# Altium PCB HW_RV_TOUCH_R1M1.PcbDoc (part 2 of 5) (continued)
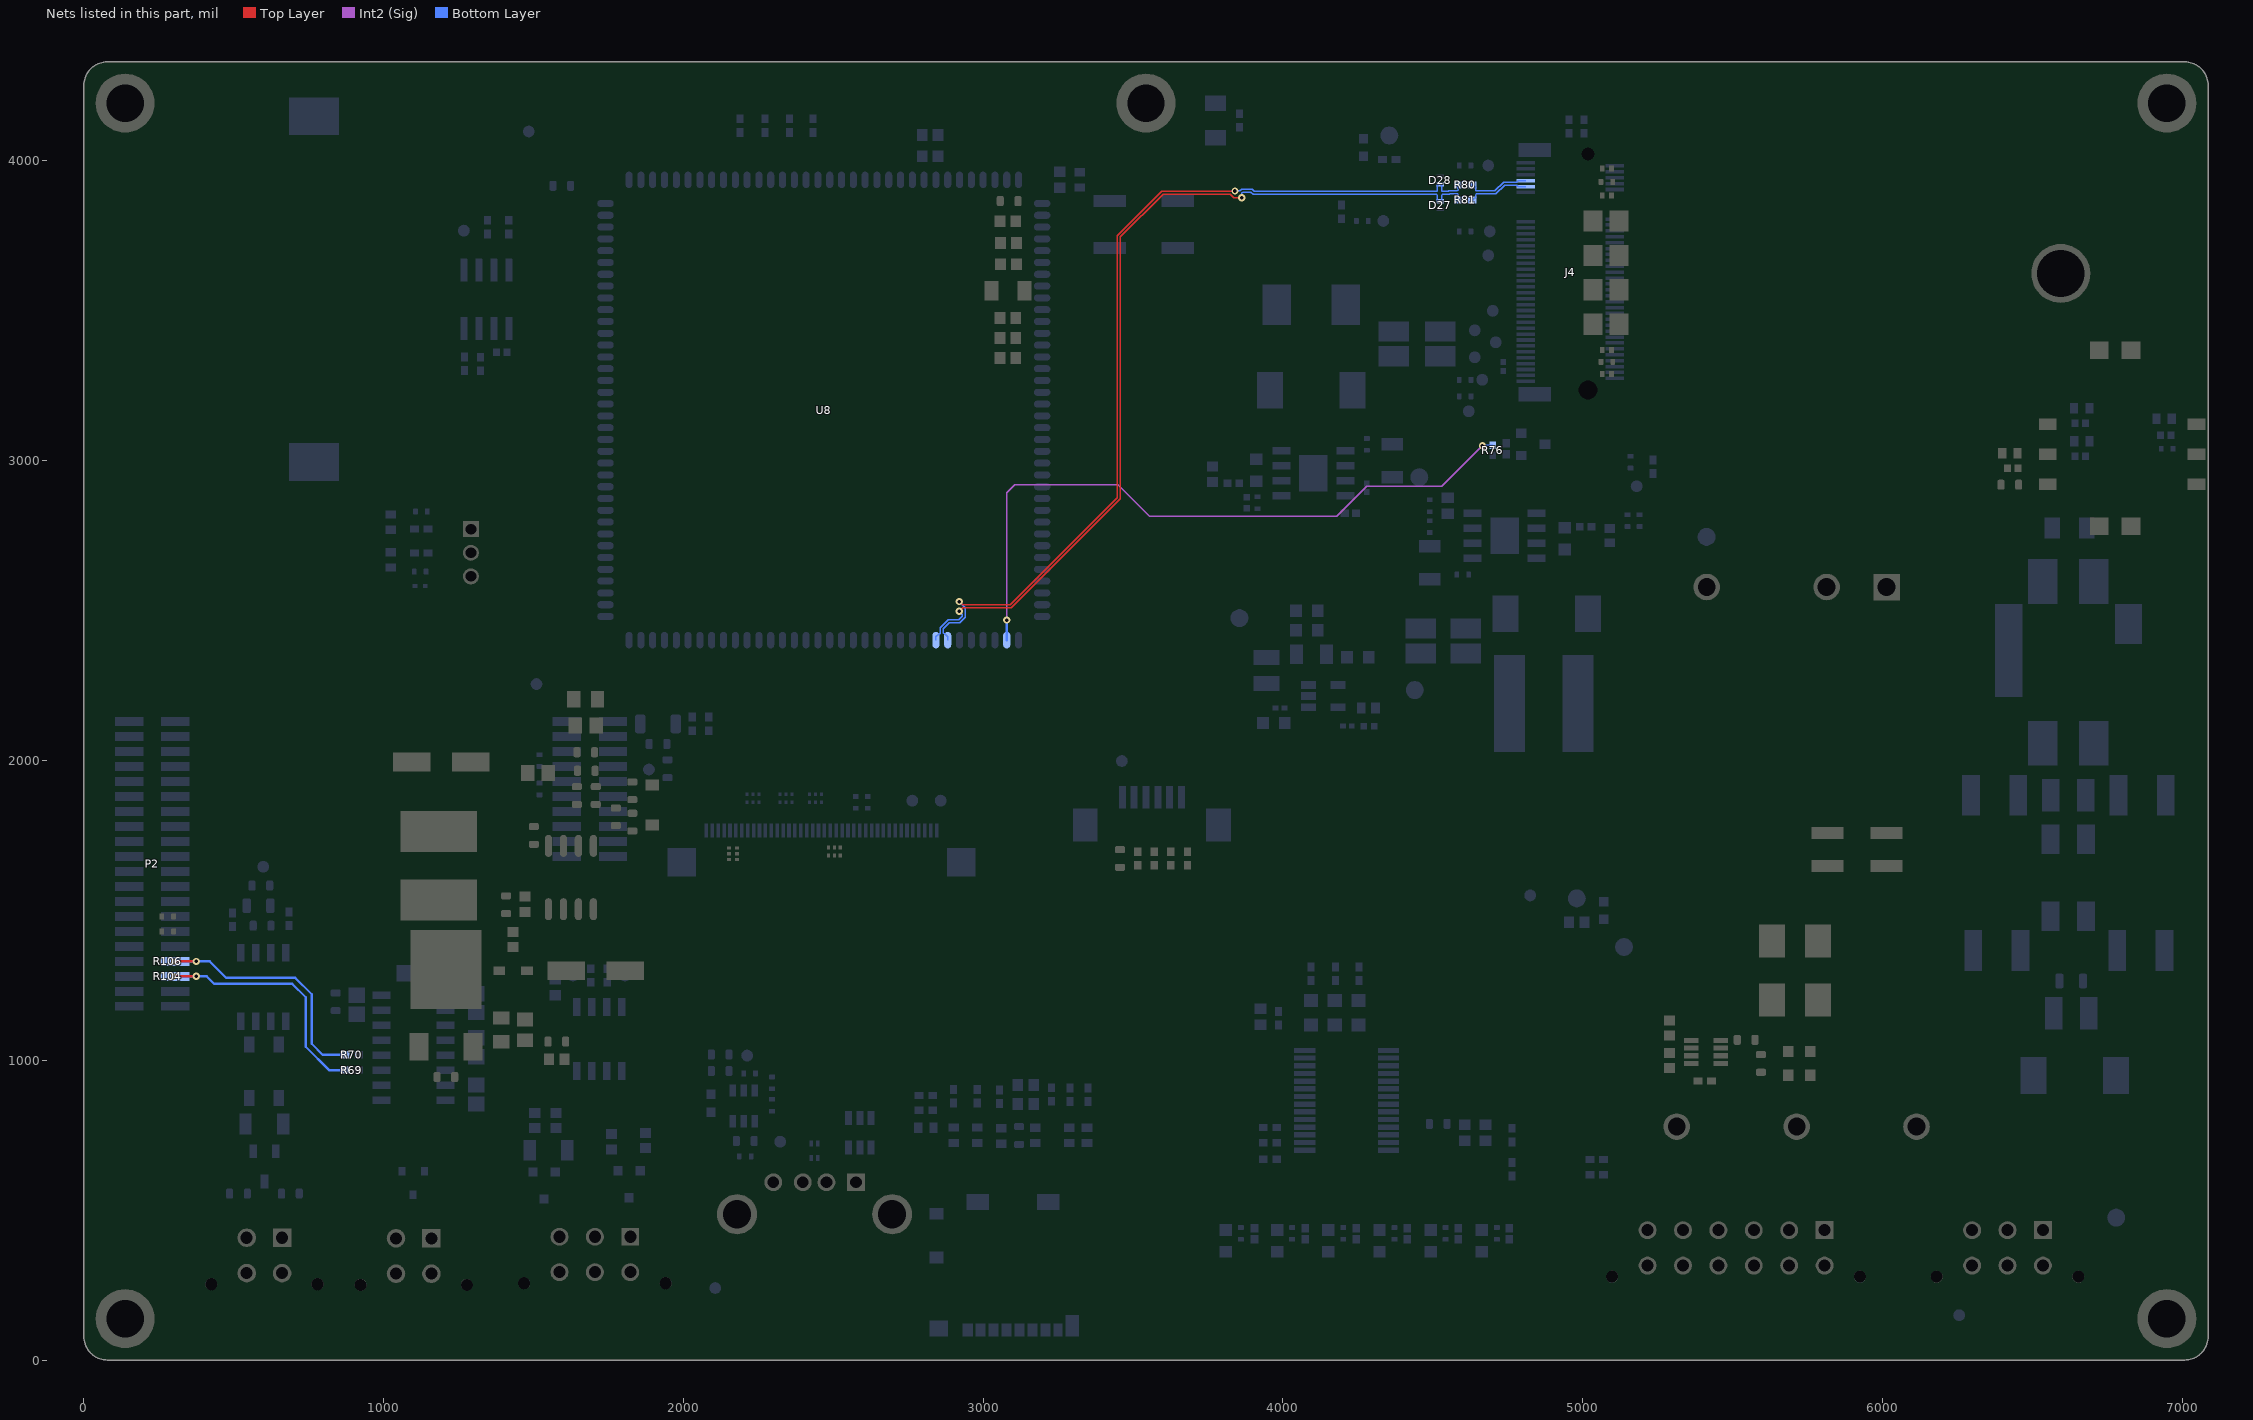
[diagram p6: the nets of this part, all layers, seen from the top]
## Part data (continued)
R4 R25 R26 R27 R28 R29 R30 R56 R57 R58 R59 R60 R61 R62 R63 R64 R65 R67 R71 R75 R78 R79 R82 R84 R86 R88 R89 R91 R93 R96 R100 R101 R102 R103 R133 R134 R135 R136 R138: library part RP73PF1E10KBTD, "RES 10K OHM 0.1% 1/10W 0402", Device Package="0402 (1005 Metric)", Manufacturer="TE Connectivity Passive Product", Operating Temperature="-55°C ~ 155°C", Power (Watts)="0.1W, 1/10W", Supplier Device Package=0402, Supplier Part Number 1=A127415CT-ND, Temperature Coefficient=±25ppm/°C, Tolerance=±0.1%, ComponentLink1Description=Datasheet, ComponentLink1URL=https://www.te.com/commerce/DocumentDelivery/DDEController?Action=srchrtrv&DocNm=1773272&DocType=DS&DocLang=English, ComponentLink2Description="DigiKey Link", ComponentLink2URL=https://www.digikey.com/en/products/detail/te-connectivity-passive-product/RP73PF1E10KBTD/8260957, Composition="Thin Film", Height - Seated (Max)="0.014\" (0.35mm)", LastUpdated="2/9/2024 8:30:24 PM", Lifecycle Status=Active, Minimum Order=1, Number of Terminations=2, Package / Case="0402 (1005 Metric)", Packaging=TapeAndReel, Part Number=RP73PF1E10KBTD, Part Status=Active, PartId=2434, Price=0.08, Resistance="10 kOhms", series="RP73, Holsworthy", Size / Dimension="0.039\" L x 0.020\" W (1.00mm x 0.50mm)", Supplier 1=DigiKey
R5 R8: library part RN73R1JTTD4701B25, "RES 4.7K OHM 0.1% 1/10W 0603", Device Package="0603 (1608 Metric)", Manufacturer="KOA Speer Electronics, Inc.", Operating Temperature="-55°C ~ 155°C", Power (Watts)="0.1W, 1/10W", Ratings=AEC-Q200, Supplier Device Package=0603, Supplier Part Number 1=2019-RN73R1JTTD4701B25CT-ND, Temperature Coefficient=±25ppm/°C, Tolerance=±0.1%, ComponentLink1Description=Datasheet, ComponentLink1URL=//media.digikey.com/pdf/Data%20Sheets/KOA%20Speer/RN73R_Type_DS.pdf, ComponentLink2Description="DigiKey Link", ComponentLink2URL=https://www.digikey.com/en/products/detail/koa-speer-electronics-inc/RN73R1JTTD4701B25/9991881, Composition="Thin Film", Features="Automotive AEC-Q200, Moisture Resistant", Height - Seated (Max)="0.022\" (0.55mm)", LastUpdated="2/9/2024 8:43:22 PM", Lifecycle Status=Active, Minimum Order=1, Number of Terminations=2, Package / Case="0603 (1608 Metric)", Packaging=TapeAndReel, Part Number=RN73R1JTTD4701B25, Part Status=Active, PartId=8410, Price=0.05, Resistance="4.7 kOhms", series=RN73R, Size / Dimension="0.063\" L x 0.031\" W (1.60mm x 0.80mm)", Supplier 1=DigiKey
R6 R7: library part RES0603_20R_%1, "20 Ohms ±1% 0.1W, 1/10W Chip Resistor 0603 (1608 Metric) Automotive AEC-Q200 Thick Film", LCSC Manufacturer Part Number=WR06X20R0FTL, LCSC Part Number=C163881, Manufacturer Part Number=RMCF0603FT20R0, Order Code="Digi: RMCF0603FT20R0TR-ND"
R9: library part CRCW0402523KFKED, "RES SMD 523K OHM 1% 1/16W 0402", Device Package="0402 (1005 Metric)", Manufacturer="Vishay Dale", Operating Temperature="-55°C ~ 155°C", Power (Watts)="0.063W, 1/16W", Ratings=AEC-Q200, Supplier Device Package=0402, Supplier Part Number 1=541-523KLCT-ND, Temperature Coefficient=±100ppm/°C, Tolerance=±1%, ComponentLink1Description=Datasheet, ComponentLink1URL=http://www.vishay.com/docs/20035/dcrcwe3.pdf, ComponentLink2Description="DigiKey Link", ComponentLink2URL=https://www.digikey.com/en/products/detail/vishay-dale/CRCW0402523KFKED/1178317, Composition="Thick Film", Features="Automotive AEC-Q200", Height - Seated (Max)="0.016\" (0.40mm)", LastUpdated="2/9/2024 8:29:43 PM", Lifecycle Status=Active, Minimum Order=1, Number of Terminations=2, Package / Case="0402 (1005 Metric)", Packaging=TapeAndReel, Part Number=CRCW0402523KFKED, Part Status=Active, PartId=14531, Price=0.01, Resistance="523 kOhms", series=CRCW, Size / Dimension="0.039\" L x 0.020\" W (1.00mm x 0.50mm)", Supplier 1=DigiKey
R10: library part CRCW040260K4FKED, "RES SMD 60.4K OHM 1% 1/16W 0402", Device Package="0402 (1005 Metric)", Manufacturer="Vishay Dale", Operating Temperature="-55°C ~ 155°C", Power (Watts)="0.063W, 1/16W", Ratings=AEC-Q200, Supplier Device Package=0402, Supplier Part Number 1=541-60.4KLCT-ND, Temperature Coefficient=±100ppm/°C, Tolerance=±1%, ComponentLink1Description=Datasheet, ComponentLink1URL=http://www.vishay.com/docs/20035/dcrcwe3.pdf, ComponentLink2Description="DigiKey Link", ComponentLink2URL=https://www.digikey.com/en/products/detail/vishay-dale/CRCW040260K4FKED/1178210, Composition="Thick Film", Features="Automotive AEC-Q200", Height - Seated (Max)="0.016\" (0.40mm)", LastUpdated="2/9/2024 8:29:40 PM", Lifecycle Status=Active, Minimum Order=1, Number of Terminations=2, Package / Case="0402 (1005 Metric)", Packaging=CutTape, Part Number=CRCW040260K4FKED, Part Status=Active, PartId=15537, Price=0.01, Resistance="60.4 kOhms", series=CRCW, Size / Dimension="0.039\" L x 0.020\" W (1.00mm x 0.50mm)", Supplier 1=DigiKey
R11: library part RNCP0603FTD1K00, "RES 1K OHM 1% 1/8W 0603", Device Package="0603 (1608 Metric)", Manufacturer="Stackpole Electronics Inc", Operating Temperature="-55°C ~ 155°C", Power (Watts)="0.125W, 1/8W", Supplier Device Package=0603, Supplier Part Number 1=RNCP0603FTD1K00CT-ND, Temperature Coefficient=±100ppm/°C, Tolerance=±1%, ComponentLink1Description=Datasheet, ComponentLink1URL=https://www.seielect.com/catalog/sei-rncp.pdf, ComponentLink2Description="DigiKey Link", ComponentLink2URL=https://www.digikey.com/en/products/detail/stackpole-electronics-inc/RNCP0603FTD1K00/2240106, Composition="Thin Film", Features=Anti-Sulfur, Height - Seated (Max)="0.022\" (0.55mm)", LastUpdated="2/9/2024 8:43:33 PM", Lifecycle Status=Active, Minimum Order=1, Number of Terminations=2, Package / Case="0603 (1608 Metric)", Packaging=TapeAndReel, Part Number=RNCP0603FTD1K00, Part Status=Active, PartId=5694, Price=0.01, Resistance="1 kOhms", series=RNCP, Size / Dimension="0.061\" L x 0.031\" W (1.55mm x 0.80mm)", Supplier 1=DigiKey
R12: library part ESR01MZPF5600, "ANTI-SURGE CHIP RESISTORS", Part Number=ESR01MZPF5600
R13 R15: library part CMP-2002-03045-1, Manufacturer="Vishay Dale", Part Number=CRCW04021K00FKEDHP
R14: library part CMP-2002-00002-1, Manufacturer="Vishay Dale", Part Number=CRCW040243K0FKED
R18 R20 R23 R24: library part ERJ-PA3F10R0V, "RES SMD 10 OHM 1% 1/3W 0603", Device Package="0603 (1608 Metric)", Manufacturer="Panasonic Electronic Components", Operating Temperature="-55°C ~ 155°C", Power (Watts)="0.333W, 1/3W", Ratings=AEC-Q200, Supplier Device Package=0603, Supplier Part Number 1=P10.00BYCT-ND, Temperature Coefficient=±100ppm/°C, Tolerance=±1%, ComponentLink1Description=Datasheet, ComponentLink1URL=https://industrial.panasonic.com/cdbs/www-data/pdf/RDO0000/AOA0000C331.pdf, ComponentLink2Description="DigiKey Link", ComponentLink2URL=https://www.digikey.com/en/products/detail/panasonic-electronic-components/ERJ-PA3F10R0V/5035852, Composition="Thick Film", Features="Automotive AEC-Q200, Pulse Withstanding", Height - Seated (Max)="0.022\" (0.55mm)", LastUpdated="2/9/2024 8:43:35 PM", Lifecycle Status=Active, Minimum Order=1, Number of Terminations=2, Package / Case="0603 (1608 Metric)", Packaging=TapeAndReel, Part Number=ERJ-PA3F10R0V, Part Status=Active, PartId=5368, Price=0.01, Resistance="10 Ohms", series=ERJ-PA3, Size / Dimension="0.063\" L x 0.031\" W (1.60mm x 0.80mm)", Supplier 1=DigiKey
R19: library part RES1206_120R_%1, "120 Ohms ±1% 0.5W, 1/2W Chip Resistor 1206 (3216 Metric) Thick Film", Manufacturer Part Number=CRGH1206F120R, Order Code="Digi: A129547TR-ND"
R32: library part RES1206_120R_%1, "120 Ohms ±1% 0.25W, 1/4W Chip Resistor 1206 (3216 Metric) Automotive AEC-Q200, Moisture Resistant Thick Film", LCSC Manufacturer Part Number=AC1206FR-07120RL, LCSC Part Number=C229293, Manufacturer Part Number=AC1206FR-07120RL, Order Code="Digi: YAG3810TR-ND"
R34: library part RES0603_150R_%1, "150 Ohms ±1% 0.1W, 1/10W Chip Resistor 0603 (1608 Metric) Moisture Resistant Thick Film", LCSC Manufacturer Part Number=RC0603FR-07150RL, LCSC Part Number=C114608, Manufacturer Part Number=RC0603FR-07150RL, Order Code="Digi: 311-150HRTR-ND"
R35 R36: library part RES0402_100K_%1, "100 kOhms ±1% 0.063W, 1/16W Chip Resistor 0402 (1005 Metric) Moisture Resistant Thick Film", LCSC Manufacturer Part Number=RC0402FR-07100KL, LCSC Part Number=C60491, Manufacturer Part Number=RC0402FR-07100KL, Order Code="Digi: 311-100KLRTR-ND"
R37: library part RES0402_13K3_%1, LCSC Manufacturer Part Number=RC0402FR-0713K3L, LCSC Part Number=C274352, Manufacturer Part Number=RC0402FR-0713K3L, Order Code="Digi: YAG2974TR-ND"
R38: library part RES0402_10K_%1, "10 kOhms ±1% 0.063W, 1/16W Chip Resistor 0402 (1005 Metric) Moisture Resistant Thick Film", LCSC Manufacturer Part Number=RC0402FR-0710KL, LCSC Part Number=C60490, Manufacturer Part Number=RC0402FR-0710KL, Order Code="Digi: 311-10.0KLRTR-ND"
R39: library part RES0402_1K_%1, "1 kOhms ±1% 0.063W, 1/16W Chip Resistor 0402 (1005 Metric) Moisture Resistant Thick Film", LCSC Manufacturer Part Number=RC0402FR-071KL, LCSC Part Number=C106235, Manufacturer Part Number=RC0402FR-071KL, Order Code="Digi: 311-1.00KLRTR-ND"
R42: library part MCU08050C1009FP500, "RES SMD 10 OHM 1% 1/5W 0805", Device Package="0805 (2012 Metric)", Manufacturer="Vishay Beyschlag", Operating Temperature="-55°C ~ 155°C", Power (Watts)="0.2W, 1/5W", Supplier Device Package=0805, Supplier Part Number 1=749-1723-1-ND, Temperature Coefficient=±50ppm/°C, Tolerance=±1%, ComponentLink1Description=Datasheet, ComponentLink1URL=http://www.vishay.com/docs/28705/mcx0x0xpro.pdf, ComponentLink2Description="DigiKey Link", ComponentLink2URL=http://digikey.com/product-detail/en/vishay-beyschlag/MCU08050C1009FP500/749-1723-1-ND/7348031, Composition="Thin Film", Features=Anti-Sulfur, Height - Seated (Max)="0.022\" (0.55mm)", LastUpdated="2/8/2024 9:02:08 PM", Lifecycle Status=Active, Minimum Order=1, Number of Terminations=2, Package / Case="0805 (2012 Metric)", Packaging=TapeAndReel, Part Number=MCU08050C1009FP500, Part Status=Active, PartId=34857, Price=0.07, Resistance="10 Ohms", series="MCU - Professional", Size / Dimension="0.079\" L x 0.049\" W (2.00mm x 1.25mm)", Supplier 1=DigiKey
R43: library part RES0603_56K_%1, "56 kOhms ±1% 0.1W, 1/10W Chip Resistor 0603 (1608 Metric) Moisture Resistant Thick Film", LCSC Manufacturer Part Number=RC0603FR-0756KL, LCSC Part Number=C114630, Manufacturer Part Number=RC0603FR-0756KL, Order Code="Digi: 311-56KHRTR-ND"
R44 R51 R53: library part RES0603_10K_%1, "10 kOhms ±1% 0.1W, 1/10W Chip Resistor 0603 (1608 Metric) Moisture Resistant Thick Film", LCSC Manufacturer Part Number=RC0603FR-0710KL, LCSC Part Number=C98220, Manufacturer Part Number=RC0603FR-0710KL, Order Code="Digi: 311-10.0KHRTR-ND"
R45: library part RC0603JR-070RL, "RES 0 OHM JUMPER 1/10W 0603", Device Package="0603 (1608 Metric)", Manufacturer=Yageo, Operating Temperature="-55°C ~ 155°C", Power (Watts)="0.1W, 1/10W", Supplier Device Package=0603, Supplier Part Number 1=311-0.0GRCT-ND, Tolerance=Jumper, ComponentLink1Description=Datasheet, ComponentLink1URL=https://www.yageo.com/upload/media/product/productsearch/datasheet/rchip/PYu-RC_Group_51_RoHS_L_10.pdf, ComponentLink2Description="DigiKey Link", ComponentLink2URL=https://www.digikey.com/en/products/detail/yageo/RC0603JR-070RL/726675, Composition="Thick Film", Features="Moisture Resistant", Height - Seated (Max)="0.022\" (0.55mm)", LastUpdated="2/9/2024 8:42:27 PM", Lifecycle Status=Active, Minimum Order=1, Number of Terminations=2, Package / Case="0603 (1608 Metric)", Packaging=CutTape, Part Number=RC0603JR-070RL, Part Status=Active, PartId=22595, Price=0.01, Resistance="0 Ohms", series=RC_L, Size / Dimension="0.063\" L x 0.031\" W (1.60mm x 0.80mm)", Supplier 1=DigiKey
R46: library part RES0603_22K_%1, "22K", LCSC Manufacturer Part Number=RC0603FR-0722KL, LCSC Part Number=C114065, Manufacturer Part Number=RC0603FR-0722KL, Order Code="Digi: 311-22.0KHRTR-ND"
R47: library part CRCW060351K0FKEA, "RES SMD 51K OHM 1% 1/10W 0603", Device Package="0603 (1608 Metric)", Manufacturer="Vishay Dale", Operating Temperature="-55°C ~ 155°C", Power (Watts)="0.1W, 1/10W", Ratings=AEC-Q200, Supplier Device Package=0603, Supplier Part Number 1=541-51.0KHCT-ND, Temperature Coefficient=±100ppm/°C, Tolerance=±1%, ComponentLink1Description=Datasheet, ComponentLink1URL=http://www.vishay.com/docs/20035/dcrcwe3.pdf, ComponentLink2Description="DigiKey Link", ComponentLink2URL=https://www.digikey.com/en/products/detail/vishay-dale/CRCW060351K0FKEA/1174862, Composition="Thick Film", Features="Automotive AEC-Q200", Height - Seated (Max)="0.020\" (0.50mm)", LastUpdated="2/9/2024 8:43:25 PM", Lifecycle Status=Active, Minimum Order=1, Number of Terminations=2, Package / Case="0603 (1608 Metric)", Packaging=TapeAndReel, Part Number=CRCW060351K0FKEA, Part Status=Active, PartId=7831, Price=0.01, Resistance="51 kOhms", series=CRCW, Size / Dimension="0.061\" L x 0.033\" W (1.55mm x 0.85mm)", Supplier 1=DigiKey
R48: library part RES0603_1K_%1, "1 kOhms ±1% 0.1W, 1/10W Chip Resistor 0603 (1608 Metric) Moisture Resistant Thick Film", LCSC Manufacturer Part Number=RC0603FR-071KL, LCSC Part Number=C22548, Manufacturer Part Number=RC0603FR-071KL, Order Code="Digi: 311-1.00KHRTR-ND"
R49: library part CSR0805FKR300, "RES 0.3 OHM 1% 1/4W 0805", Device Package="0805 (2012 Metric)", Manufacturer="Stackpole Electronics Inc", Operating Temperature="-55°C ~ 155°C", Power (Watts)="0.25W, 1/4W", Supplier Device Package=0805, Supplier Part Number 1=CSR0805FKR300CT-ND, Temperature Coefficient=±200ppm/°C, Tolerance=±1%, ComponentLink1Description=Datasheet, ComponentLink1URL=https://www.seielect.com/catalog/sei-csr_csrn.pdf, ComponentLink2Description="DigiKey Link", ComponentLink2URL=https://www.digikey.com/en/products/detail/stackpole-electronics-inc/CSR0805FKR300/1742448, Composition="Thick Film", Features="Current Sense", Height - Seated (Max)="0.026\" (0.65mm)", LastUpdated="2/8/2024 9:02:29 PM", Lifecycle Status=Active, Minimum Order=1, Number of Terminations=2, Package / Case="0805 (2012 Metric)", Packaging=TapeAndReel, Part Number=CSR0805FKR300, Part Status=Active, PartId=29999, Price=0.05, Resistance="300 mOhms", series=CSR, Size / Dimension="0.079\" L x 0.049\" W (2.00mm x 1.25mm)", Supplier 1=DigiKey
R50: library part RES0805_0.3R_%1, LCSC Manufacturer Part Number=0805W8F300LT5E, LCSC Part Number=C247157, Manufacturer Part Number=0805W8F300LT5E, Order Code="LCSC: C247157"
R52: library part ERA-3AEB472V, "RES SMD 4.7K OHM 0.1% 1/10W 0603", Device Package="0603 (1608 Metric)", Manufacturer="Panasonic Electronic Components", Operating Temperature="-55°C ~ 155°C", Power (Watts)="0.1W, 1/10W", Ratings=AEC-Q200, Supplier Device Package=0603, Supplier Part Number 1=P4.7KDBCT-ND, Temperature Coefficient=±25ppm/°C, Tolerance=±0.1%, ComponentLink1Description=Datasheet, ComponentLink1URL=https://industrial.panasonic.com/cdbs/www-data/pdf/RDM0000/AOA0000C307.pdf, ComponentLink2Description="DigiKey Link", ComponentLink2URL=https://www.digikey.com/en/products/detail/panasonic-electronic-components/ERA-3AEB472V/1465870, Composition="Thin Film", Features="Automotive AEC-Q200", Height - Seated (Max)="0.022\" (0.55mm)", LastUpdated="2/9/2024 8:43:34 PM", Lifecycle Status=Active, Minimum Order=1, Number of Terminations=2, Package / Case="0603 (1608 Metric)", Packaging=TapeAndReel, Part Number=ERA-3AEB472V, Part Status=Active, PartId=5519, Price=0.03, Resistance="4.7 kOhms", series=ERA-3A, Size / Dimension="0.063\" L x 0.031\" W (1.60mm x 0.80mm)", Supplier 1=DigiKey
R54: library part RK73H2ATTD1R40F, "RES 1.4 OHM 1% 1/4W 0805", Device Package="0805 (2012 Metric)", Manufacturer="KOA Speer Electronics, Inc.", Operating Temperature="-55°C ~ 155°C", Power (Watts)="0.25W, 1/4W", Ratings=AEC-Q200, Supplier Device Package=0805, Supplier Part Number 1=2019-RK73H2ATTD1R40FCT-ND, Temperature Coefficient=±200ppm/°C, Tolerance=±1%, ComponentLink1Description=Datasheet, ComponentLink1URL=https://www.koaspeer.com/pdfs/RK73H.pdf, ComponentLink2Description="DigiKey Link", ComponentLink2URL=https://www.digikey.com/en/products/detail/koa-speer-electronics-inc/RK73H2ATTD1R40F/10228601, Composition="Thick Film", Features="Automotive AEC-Q200, Moisture Resistant", Height - Seated (Max)="0.024\" (0.60mm)", LastUpdated="2/8/2024 9:00:36 PM", Lifecycle Status=Active, Minimum Order=1, Number of Terminations=2, Package / Case="0805 (2012 Metric)", Packaging=TapeAndReel, Part Number=RK73H2ATTD1R40F, Part Status=Active, PartId=61343, Price=0.01, Resistance="1.4 Ohms", series=RK73H, Size / Dimension="0.079\" L x 0.049\" W (2.00mm x 1.25mm)", Supplier 1=DigiKey
R55: library part RES0805_2R43_%1, LCSC Manufacturer Part Number=FRC0805F2R43TS, LCSC Part Number=C2933405, Manufacturer Part Number=FRC0805F2R43TS, Order Code="LCSC: C2933405"
R66 R114: library part ERJ-U02D1001X, "0402 ANTI-SULFUR RES. , 0.5%, 1K", Device Package="0402 (1005 Metric)", Manufacturer="Panasonic Electronic Components", Operating Temperature="-55°C ~ 155°C", Power (Watts)="0.1W, 1/10W", Ratings=AEC-Q200, Supplier Device Package=0402, Supplier Part Number 1=10-ERJ-U02D1001XCT-ND, Temperature Coefficient=±200ppm/°C, Tolerance=±0.5%, ComponentLink1Description=Datasheet, ComponentLink1URL=https://industrial.panasonic.com/cdbs/www-data/pdf/RDP0000/AOA0000C334.pdf, ComponentLink2Description="DigiKey Link", ComponentLink2URL=https://www.digikey.com/en/products/detail/panasonic-electronic-components/ERJ-U02D1001X/9365326, Composition="Thick Film", Features="Anti-Sulfur, Automotive AEC-Q200", Height - Seated (Max)="0.016\" (0.40mm)", LastUpdated="2/9/2024 8:28:26 PM", Lifecycle Status=Active, Minimum Order=1, Number of Terminations=2, Package / Case="0402 (1005 Metric)", Packaging=TapeAndReel, Part Number=ERJ-U02D1001X, PartId=81776, Price=0.01, Resistance="1 kOhms", series=ERJ-U02, Size / Dimension="0.039\" L x 0.020\" W (1.00mm x 0.50mm)", Supplier 1=DigiKey
R68: library part MFHA1206R2500FC, "RES 0.25 OHM 1% 1W 1206", Device Package="1206 (3216 Metric)", Manufacturer="Eaton - Electronics Division", Operating Temperature="-55°C ~ 155°C", Power (Watts)=1W, Ratings=AEC-Q200, Supplier Device Package=1206, Supplier Part Number 1=283-MFHA1206R2500FCCT-ND, Temperature Coefficient=±100ppm/°C, Tolerance=±1%, ComponentLink1Description=Datasheet, ComponentLink1URL=https://www.eaton.com/content/dam/eaton/products/electronic-components/resources/data-sheet/eaton-mfha-automotive-smd-current-sense-resistor-metal-film-data-sheet-elx1178.pdf, ComponentLink2Description="DigiKey Link", ComponentLink2URL=https://www.digikey.com/en/products/detail/eaton-electronics-division/MFHA1206R2500FC/16713465, Composition="Metal Film", Features="Automotive AEC-Q200, Current Sense, Moisture Resistant", Height - Seated (Max)="0.026\" (0.65mm)", LastUpdated="2/9/2024 8:53:03 PM", Lifecycle Status=Active, Minimum Order=1, Number of Terminations=2, Package / Case="1206 (3216 Metric)", Packaging=TapeAndReel, Part Number=MFHA1206R2500FC, Part Status=Active, PartId=72444, Price=0.04, Resistance="250 mOhms", series=MFHA, Size / Dimension="0.126\" L x 0.063\" W (3.20mm x 1.60mm)", Supplier 1=DigiKey
R73: library part CMP-2002-08401-1, Manufacturer="Vishay Dale", Part Number=CRCW0402249KFKED
R74: library part CMP-2002-07133-1, Manufacturer="Yageo / Phycomp", Part Number=RC0402FR-0754K9L
R76: library part CMP-1011-00586-2, Manufacturer="Yageo / Phycomp", Part Number=RC0402FR-074K7L
R77: library part CMP-2002-03053-1, Manufacturer="Vishay Dale", Part Number=CRCW040247K0FKEDHP
R83: library part ESR01MZPF1004, "ANTI-SURGE CHIP RESISTORS", Part Number=ESR01MZPF1004
R85 R87 R90 R92 R94 R98: library part CMP-2002-07344-1, Manufacturer="Yageo / Phycomp", Part Number=RC0402FR-07100RL
R95 R97 R99 R105: library part RC0402FR-0722RP, "RES 22 OHM 1% 1/16W 0402", Device Package="0402 (1005 Metric)", Manufacturer=Yageo, Operating Temperature="-55°C ~ 155°C", Power (Watts)="0.063W, 1/16W", Ratings="7C1 RoHS w/out Exemption (100% Pb-Free)", Supplier Device Package=0402, Supplier Part Number 1=YAG1257CT-ND, Temperature Coefficient=±100ppm/°C, Tolerance=±1%, ComponentLink1Description=Datasheet, ComponentLink1URL=http://www.yageo.com/NewPortal/yageodocoutput?fileName=/pdf/R-Chip/PYu-RC_51_RoHS_P_0.pdf, ComponentLink2Description="DigiKey Link", ComponentLink2URL=https://www.digikey.com/en/products/detail/yageo/RC0402FR-0722RP/4935272, Composition="Thick Film", Features="Moisture Resistant", Height - Seated (Max)="0.016\" (0.40mm)", LastUpdated="2/9/2024 8:29:38 PM", Lifecycle Status=Active, Minimum Order=1, Number of Terminations=2, Package / Case="0402 (1005 Metric)", Packaging=CutTape, Part Number=RC0402FR-0722RP, Part Status=Active, PartId=16168, Price=0.01, Resistance="22 Ohms", series=RC_P, Size / Dimension="0.039\" L x 0.020\" W (1.00mm x 0.50mm)", Supplier 1=DigiKey
R109: library part CMP-1011-00663-2, "RES SMD 23.7K OHM 1% 1/16W 0402", Manufacturer="Vishay Dale", Part Number=CRCW040223K7FKED
R111: library part CRCW040290K9FKED, "RES SMD 78.7K OHM 1% 1/16W 0402", Device Package="0402 (1005 Metric)", Operating Temperature="-55°C ~ 155°C", Part Number=CRCW040278K7FKED, Power (Watts)="0.063W, 1/16W", Resistance="90.9 kOhms", Supplier Device Package=0402, Temperature Coefficient=±100ppm/°C, Tolerance=±1%, Composition="Thick Film", Height - Seated (Max)="0.016\" (0.40mm)", LastUpdated="2/9/2024 8:29:54 PM", Lifecycle Status=Active, Minimum Order=1, Number of Terminations=2, Package / Case="0402 (1005 Metric)", Packaging=TapeAndReel, Part Status=Active, Price=0.01, series=CRCW, Size / Dimension="0.039\" L x 0.020\" W (1.00mm x 0.50mm)"
R113 R120: library part CRCW040211K5FKED, "RES SMD 11.5K OHM 1% 1/16W 0402", Device Package="0402 (1005 Metric)", Manufacturer="Vishay Dale", Operating Temperature="-55°C ~ 155°C", Power (Watts)="0.063W, 1/16W", Ratings=AEC-Q200, Supplier Device Package=0402, Supplier Part Number 1=541-11.5KLCT-ND, Temperature Coefficient=±100ppm/°C, Tolerance=±1%, ComponentLink1Description=Datasheet, ComponentLink1URL=http://www.vishay.com/docs/20035/dcrcwe3.pdf, ComponentLink2Description="DigiKey Link", ComponentLink2URL=https://www.digikey.com/en/products/detail/vishay-dale/CRCW040211K5FKED/1178127, Composition="Thick Film", Features="Automotive AEC-Q200", Height - Seated (Max)="0.016\" (0.40mm)", LastUpdated="7/12/2023 7:23:57 PM", Lifecycle Status=Active, Minimum Order=1, Number of Terminations=2, Package / Case="0402 (1005 Metric)", Packaging=CutTape, Part Number=CRCW040211K5FKED, Part Status=Active, PartId=10330, Price=0.01, Resistance="11.5 kOhms", series=CRCW, Size / Dimension="0.039\" L x 0.020\" W (1.00mm x 0.50mm)", Supplier 1=DigiKey
R115: library part ERJ-U02F6800X, "RES 680 OHM 1% 1/10W 0402 SMD", Device Package="0402 (1005 Metric)", Manufacturer="Panasonic Electronic Components", Operating Temperature="-55°C ~ 155°C", Power (Watts)="0.1W, 1/10W", Ratings=AEC-Q200, Supplier Device Package=0402, Supplier Part Number 1=10-ERJ-U02F6800XCT-ND, Temperature Coefficient=±200ppm/°C, Tolerance=±1%, ComponentLink1Description=Datasheet, ComponentLink1URL=https://industrial.panasonic.com/cdbs/www-data/pdf/RDP0000/AOA0000C334.pdf, ComponentLink2Description="DigiKey Link", ComponentLink2URL=https://www.digikey.com/en/products/detail/panasonic-electronic-components/ERJ-U02F6800X/11635400, Composition="Thick Film", Features="Anti-Sulfur, Automotive AEC-Q200", Height - Seated (Max)="0.016\" (0.40mm)", LastUpdated="2/9/2024 8:29:06 PM", Lifecycle Status=Active, Minimum Order=1, Number of Terminations=2, Package / Case="0402 (1005 Metric)", Packaging=TapeAndReel, Part Number=ERJ-U02F6800X, Part Status=Active, PartId=60041, Price=0.01, Resistance="680 Ohms", series=ERJ-U02, Size / Dimension="0.039\" L x 0.020\" W (1.00mm x 0.50mm)", Supplier 1=DigiKey
R118: library part ERJ-2RKF8200X, "RES SMD 820 OHM 1% 1/10W 0402", Device Package="0402 (1005 Metric)", Manufacturer="Panasonic Electronic Components", Operating Temperature="-55°C ~ 155°C", Power (Watts)="0.1W, 1/10W", Ratings=AEC-Q200, Supplier Device Package=0402, Supplier Part Number 1=P820LCT-ND, Temperature Coefficient=±100ppm/°C, Tolerance=±1%, ComponentLink1Description=Datasheet, ComponentLink1URL=https://industrial.panasonic.com/cdbs/www-data/pdf/RDA0000/AOA0000C304.pdf, ComponentLink2Description="DigiKey Link", ComponentLink2URL=https://www.digikey.com/en/products/detail/panasonic-electronic-components/ERJ-2RKF8200X/1746279, Composition="Thick Film", Features="Automotive AEC-Q200", Height - Seated (Max)="0.016\" (0.40mm)", LastUpdated="2/9/2024 8:29:33 PM", Lifecycle Status=Active, Minimum Order=1, Number of Terminations=2, Package / Case="0402 (1005 Metric)", Packaging=CutTape, Part Number=ERJ-2RKF8200X, Part Status=Active, PartId=18007, Price=0.01, Resistance="820 Ohms", series=ERJ-2RK, Size / Dimension="0.039\" L x 0.020\" W (1.00mm x 0.50mm)", Supplier 1=DigiKey
R122: library part CMP-1012-00723-2, Manufacturer="Vishay Dale", Part Number=CRCW060376K8FKEA
R124: library part CMP-2002-08222-1, Manufacturer="Vishay Dale", Part Number=CRCW040215K4FKED
R126: library part CMP-2002-07845-1, Manufacturer=Yageo, Part Number=RC0402FR-0797K6L
S1: "Key,6.2mm Square with Middle-travel,0.5mm,50mA,12V DC,¨C40~£«90¡æ,1.96N,SMT,ALPS", Manufacturer=ALPS, Datasheet=Connector\Key_ALPS_skra.pdf, Manufacturer P/N=SKRAAME010, Myir P/N=21201.00008, Part Type=Key, PCB Footprint=SKRAAME010, Reserve Value=SKRAAME010
T1: "Ind Common Mode Filter Wirewound 51uH 2KOhm -30% to 50% 100KHz 200mA 1812 T/R", Case Code (Imperial)=1812, Current=200mA, DC Resistance (DCR)=1R, Inductance=51uH, Insulation Resistance=10MR, LCSC Manufacturer Part Number=ACT45B-510-2P-TL003, LCSC Part Number=C76584, Manufacturer=TDK, Max Operating Temperature=150°C, Min Operating Temperature=-40°C, Package Quantity=2000, Self Resonant Frequency=10MHz, Supplier Part Number 1=445-3958-1-ND, Tolerance=50%, Voltage Rating=50V, Case/Package=1812, Category="Fixed Inductors", ComponentLink1Description=https://datasheet.ciiva.com/22726/1649098-22726290.pdf?src-supplier=Element14, ComponentLink1URL=https://datasheet.ciiva.com/22726/1649098-22726290.pdf?src-supplier=Element14, ComponentLink2Description=https://datasheet.ciiva.com/26793/act45b-510-2p-tl003-26793344.pdf?src-supplier=IIIC, ComponentLink2URL=https://datasheet.ciiva.com/26793/act45b-510-2p-tl003-26793344.pdf?src-supplier=IIIC, ComponentLink3Description=https://datasheet.ciiva.com/8498/e9711-act-8498633.pdf?src-supplier=Avnet, ComponentLink3URL=https://datasheet.ciiva.com/8498/e9711-act-8498633.pdf?src-supplier=Avnet, ComponentLink4Description=https://datasheet.ciiva.com/1007/e9711-act-1007931.pdf?src-supplier=Digi-Key, ComponentLink4URL=https://datasheet.ciiva.com/1007/e9711-act-1007931.pdf?src-supplier=Digi-Key, ComponentLink5Description=https://datasheet.ciiva.com/15191/getdatasheetpartid-349822-15191803.pdf?src-supplier=Verical, ComponentLink5URL=https://datasheet.ciiva.com/15191/getdatasheetpartid-349822-15191803.pdf?src-supplier=Verical, ComponentLink6Description=https://datasheet.ciiva.com/1007/e9711-act-1007932.pdf?src-supplier=Digi-Key, ComponentLink6URL=https://datasheet.ciiva.com/1007/e9711-act-1007932.pdf?src-supplier=Digi-Key, ComponentLink7Description=https://datasheet.ciiva.com/1007/e9711-act-1007933.pdf?src-supplier=Digi-Key, ComponentLink7URL=https://datasheet.ciiva.com/1007/e9711-act-1007933.pdf?src-supplier=Digi-Key, ComponentLink8Description=https://datasheet.ciiva.com/7649/1833202-7649183.pdf?src-supplier=Element14, ComponentLink8URL=https://datasheet.ciiva.com/7649/1833202-7649183.pdf?src-supplier=Element14, Core Material=Ferrite, Current Rating=200mA, DC Current=200mA, Depth=3.4mm, Element Configuration=Dual, Height=2.8mm, Impedance=2.8kR, Lead Free="Lead Free", Length=4.7mm, Manufacturer Part Number=ACT45B-510-2P-TL003, Max DC Current=200mA, Military Standard=Not, Mount="Surface Mount", Number of Lines=2, Number of Pins=4, Packaging="Tape and Reel", Pricing 1="1=1,95000, 10=1,80000, 25=1,65000, 50=1,41000, 100=1,26000, 250=1,08000, 500=1,02000, 1000=0,93000 (USD)", Radiation Hardening=No, REACH SVHC="No SVHC", RoHS=Yes, Stock 1=75821, Supplier 1=Digi-Key, Termination=SMD/SMT, Test Frequency=10MHz, Voltage Rating (DC)=50V, Width=3.2mm
TP1 TP2 TP3 TP4 TP6 TP7 TP16 TP17: library part TP, DESIG="testing PAD", FAB=NA, PCB Footprint=test0_8-smd, Ref=NA, VAL="NOT POPULATED"
U1: library part BNX024H01L, "LC EMI Filter 5th Order Low Pass 2 Channel C = 4.7µF 20 A 4-SMD, No Lead", LCSC Part Number=C124739, LCSC Manufacturer Part Number=BNX024H01L, Manufacturer Part Number=BNX024H01L, Order Code="Digi: 490-7833-2-ND"
U2: "Single Transmitter/Receiver RS-422/RS-485 8-Pin SOIC N T/R", Case/Package=SOIC, Manufacturer="Analog Devices", Max Operating Temperature=125°C, Max Supply Voltage=3.6V, Min Operating Temperature=-40°C, Min Supply Voltage=3V, Operating Supply Current=1.5mA, Operating Supply Voltage=3.3V, Package Quantity=1000, Supplier Part Number 1=505-ADM3074EARZ-REEL7CT-ND, Category="RS-232 / RS-422 / RS-485 Interface ICs", ComponentLink1Description=http://www.mouser.com/ds/2/609/ADM3070E_3071E_3072E_3073E_3074E_3075E_3076E_3077E-878687.pdf?src-supplier=Mouser, ComponentLink1URL=http://www.mouser.com/ds/2/609/ADM3070E_3071E_3072E_3073E_3074E_3075E_3076E_3077E-878687.pdf?src-supplier=Mouser, ComponentLink2Description=http://components.arrow.com/part/dataview/43007547S8418233N2771?src-supplier=Arrow+Electronics, ComponentLink2URL=http://components.arrow.com/part/dataview/43007547S8418233N2771?src-supplier=Arrow+Electronics, ComponentLink3Description=http://www.analog.com/static/imported-files/data_sheets/ADM3070E_3071E_3072E_3073E_3074E_3075E_3076E_3077E_3078E.pdf?src-supplier=Avnet, ComponentLink3URL=http://www.analog.com/static/imported-files/data_sheets/ADM3070E_3071E_3072E_3073E_3074E_3075E_3076E_3077E_3078E.pdf?src-supplier=Avnet, ComponentLink4Description=http://www.analog.com/media/en/technical-documentation/data-sheets/ADM3070E_3071E_3072E_3073E_3074E_3075E_3076E_3077E_3078E.pdf?src-supplier=Digikey, ComponentLink4URL=http://www.analog.com/media/en/technical-documentation/data-sheets/ADM3070E_3071E_3072E_3073E_3074E_3075E_3076E_3077E_3078E.pdf?src-supplier=Digikey, Data Rate=500Kbps, Lead Free="Contains Lead", Logic Function=Receiver, Manufacturer Part Number=ADM3074EARZ-REEL7, Mount="Surface Mount", Number of Drivers=1, Number of Pins=8, Number of Receivers=1, Number of Transceivers=1, Number of Transmitters=1, Packaging="Tape and Reel", Pricing 1="1=5.83, 10=5.24, 25=4.954, 100=4.2935, 250=4.07332, 500=3.65498 (USD)", Receiver Hysteresis=100mV, RoHS=Yes, RoHS Compliant=Yes, series=-, Simplex/Duplex="Full Duplex", Stock 1=725, Supplier 1=Digikey, Supply Current=1.5mA
U3: library part SN65HVD231DR, "1/1 Transceiver Half CANbus 8-SOIC", LCSC Part Number=C129257, LCSC Manufacturer Part Number=SN65HVD231DR, Order Code="DIGI : 296-26343-2-ND", P/N=SN65HVD231DR
U4: library part AP22615AWU-7, "Power Switch/Driver 1:1 N/P-Channel 3A TSOT-26", LCSC Part Number=C2680357, LCSC Manufacturer Part Number=AP22615AWU-7, Manufacturer Part Number=AP22615AWU-7, Order Code="Digi: AP22615AWU-7DITR-ND"
U5: library part USBLC6-4SC6, "17V Clamp 5A (8/20µs) Ipp Tvs Diode Surface Mount SOT-23-6", LCSC Part Number=C111212, LCSC Manufacturer Part Number=USBLC6-4SC6, Manufacturer Part Number=USBLC6-4SC6, Order Code="Digi: 497-4492-2-ND"
U6: library part BIT3368, "High Performance PWM Controller", LSCS Part Number=C5252694, Manufacturer=BITEK, Manufacturer Part Number=BIT3368
U7: "Real Time Clock (RTC) IC Clock/Calendar 236B I²C, 2-Wire Serial 8-SOIC (0.154, 3.90mm Width)", Manufacturer=Maxim, Supplier Part Number 1=DS3232MZ+TRLTR-ND, Category="Real Time Clocks", ComponentLink1Description=https://datasheet.ciiva.com/12291/ds3232m-95532-12291172.pdf?src-supplier=Mouser, ComponentLink1URL=https://datasheet.ciiva.com/12291/ds3232m-95532-12291172.pdf?src-supplier=Mouser, ComponentLink2Description=https://datasheet.ciiva.com/14085/ds3232m-14085670.pdf?src-supplier=Digikey, ComponentLink2URL=https://datasheet.ciiva.com/14085/ds3232m-14085670.pdf?src-supplier=Digikey, ComponentLink3Description=https://datasheet.ciiva.com/14196/ds3232m-14196620.pdf?src-supplier=Avnet, ComponentLink3URL=https://datasheet.ciiva.com/14196/ds3232m-14196620.pdf?src-supplier=Avnet, Manufacturer Part Number=DS3232MZ+TRL, Pricing 1="2500=5.252 (USD)", RoHS=Yes, Stock 1=40000, Supplier 1=Digikey
U8: library part AM335X_QFN_4, PCB Footprint=youpk37x39_1_00-smd-148
D4 D5: Manufacturer Part Number=SM712-02HTG

## Free pads (board coordinates)
  round 196.85 hole 157.48: 1(6595,3625)

## Via types
v1: diameter 24.02, hole 12.01, Top Layer to Bottom Layer, tented both sides, 744 vias
v2: diameter 16.14/16.14/16.14/16.14/16.14/16.14 (per signal layer), hole 8.07, Top Layer to Bottom Layer, tented both sides, 71 vias
v3: diameter 16.14, hole 8.07, Top Layer to Bottom Layer, tented both sides, 12 vias
v4: diameter 24.02, hole 12.01, Top Layer to Bottom Layer, 11 vias
v5: diameter 47.24, hole 24.02, Top Layer to Bottom Layer, tented both sides, 6 vias

## Nets (pads, with @x,y where several pads share a name; then routed paths per layer and width w, separated by ;. In a path a pad name is that pad's centre, name@x,y a point inside that pad or via, vN(x,y) a via of type N, cw(c..) or ccw(c..) an arc to the next point about the centre after c; other vN are vias at no path point)
4G_RST: R76.1 U8.108 | length 2265.9
  Int2 (Sig) w6: v1(3078.74,2468.5) 3078.74,2893.74 3105,2920 3450,2920 3555,2815 4180,2815 4280,2915 4530.31,2915 v1(4665.46,3050.16)
  Bottom Layer w6: v1(4665.46,3050.16) 4667.04,3051.73 R76.1@4700,3051.73
  Bottom Layer w8: U8.108@3078.74,2401.57 v1(3078.74,2468.5)
4G_USB1_N: J4.9 R81.2 | length 206.9
  Bottom Layer w4.7: R81.2@4630.28,3870 4633.23,3870 4642.69,3879.46 4642.69,3887.35 4645.44,3890.1 4710.74,3890.1 4740.27,3919.63 4780.45,3919.63 4785.39,3914.69 J4.9@4810,3914.69
4G_USB1_P: J4.7 R80.2 | length 206.9
  Bottom Layer w4.7: R80.2@4630.28,3920 4633.23,3920 4642.69,3910.54 4642.69,3902.65 4645.44,3899.9 4706.68,3899.9 4736.21,3929.43 4780.45,3929.43 4785.39,3934.37 J4.7@4810,3934.37
4G_USB_N: D27.2 R81.1 U8.114 | length 2994.4
  Top Layer w4.7: v1(2920,2497.98) 2920.84,2497.98 2931.95,2509.09 3094.03,2509.09 3457.64,2872.7 3457.64,3746.93 3600.47,3889.76 3824.27,3889.76 3836.68,3877.36 v1(3862.64,3877.36)
  Bottom Layer w4.7: U8.114@2842.52,2401.57 2842.52,2412.21 2852.88,2422.57 2854.55,2422.57 2857.3,2425.32 2857.3,2443.68 2883.08,2469.46 2917.83,2469.46 2930.05,2481.68 2930.05,2485.57 2920,2495.62 v1(2920,2497.98) ; v1(3862.64,3877.36) 3863.23,3877.96 3863.23,3893.67 3865.99,3896.42 3893.52,3896.42 3900.94,3889 4211.11,3889 4512.79,3889 4515.54,3886.24 4515.54,3870.13 4520.08,3865.59 D27.2@4525,3865.59 4529.41,3870 4529.41,3886.24 4532.16,3889 4555.81,3889 4556.92,3890.1 4582.25,3890.1 4585,3887.35 R81.1@4585,3870
4G_USB_P: D28.2 R80.1 U8.113 | length 3011
  Top Layer w4.7: v1(2920,2530) 2920.84,2530 2931.95,2518.89 3089.97,2518.89 3447.84,2876.76 3447.84,3750.99 3596.41,3899.56 3839.56,3899.56 v1(3840,3900)
  Bottom Layer w4.7: U8.113@2881.89,2401.57 2881.89,2412.21 2871.53,2422.57 2869.86,2422.57 2867.1,2425.32 2867.1,2439.63 2887.14,2459.66 2921.89,2459.66 2939.85,2477.62 2939.85,2510.15 v1(2920,2530) ; v1(3840,3900) 3840.6,3900.6 3856.3,3900.6 3861.93,3906.22 3897.58,3906.22 3905,3898.8 4215.17,3898.8 4512.79,3898.8 4515.54,3901.55 4515.54,3917.66 4520.08,3922.2 D28.2@4525,3922.2 4529.41,3917.8 4529.41,3901.55 4532.16,3898.8 4551.75,3898.8 4552.86,3899.9 4582.25,3899.9 4585,3902.65 R80.1@4585,3920
232_UART_RX: P2.8 R70.2 R106.1 | length 867.1
  Top Layer w8: R106.1@299.37,1330 v4(375,1330)
  Bottom Layer w8: P2.8@305,1330 v4(375,1330) 420,1330 475,1275 705,1275 760,1220 760,1055 796.63,1018.37 R70.2@870.78,1018.37
232_UART_TX: P2.6 R69.2 R104.1 | length 867.6
  Top Layer w8: R104.1@299.37,1280 v4(375,1280)
  Bottom Layer w8: P2.6@305,1280 v4(375,1280) 410,1280 435,1255 695,1255 740,1210 740,1045 817.81,967.19 R69.2@870.78,967.19